# Altium PCB PIF_robot.PcbDoc (part 2 of 2)
Units mm, origin at the board's own origin, x right, y up, seen from the top; angles counter-clockwise.
Board outline 99.92 x 73.06 mm, 2 copper layers (Top Layer, Bottom Layer); 160 components, 159 nets, 631 pads, 242 vias.
Unrouted connection lines stored in the file: 4.
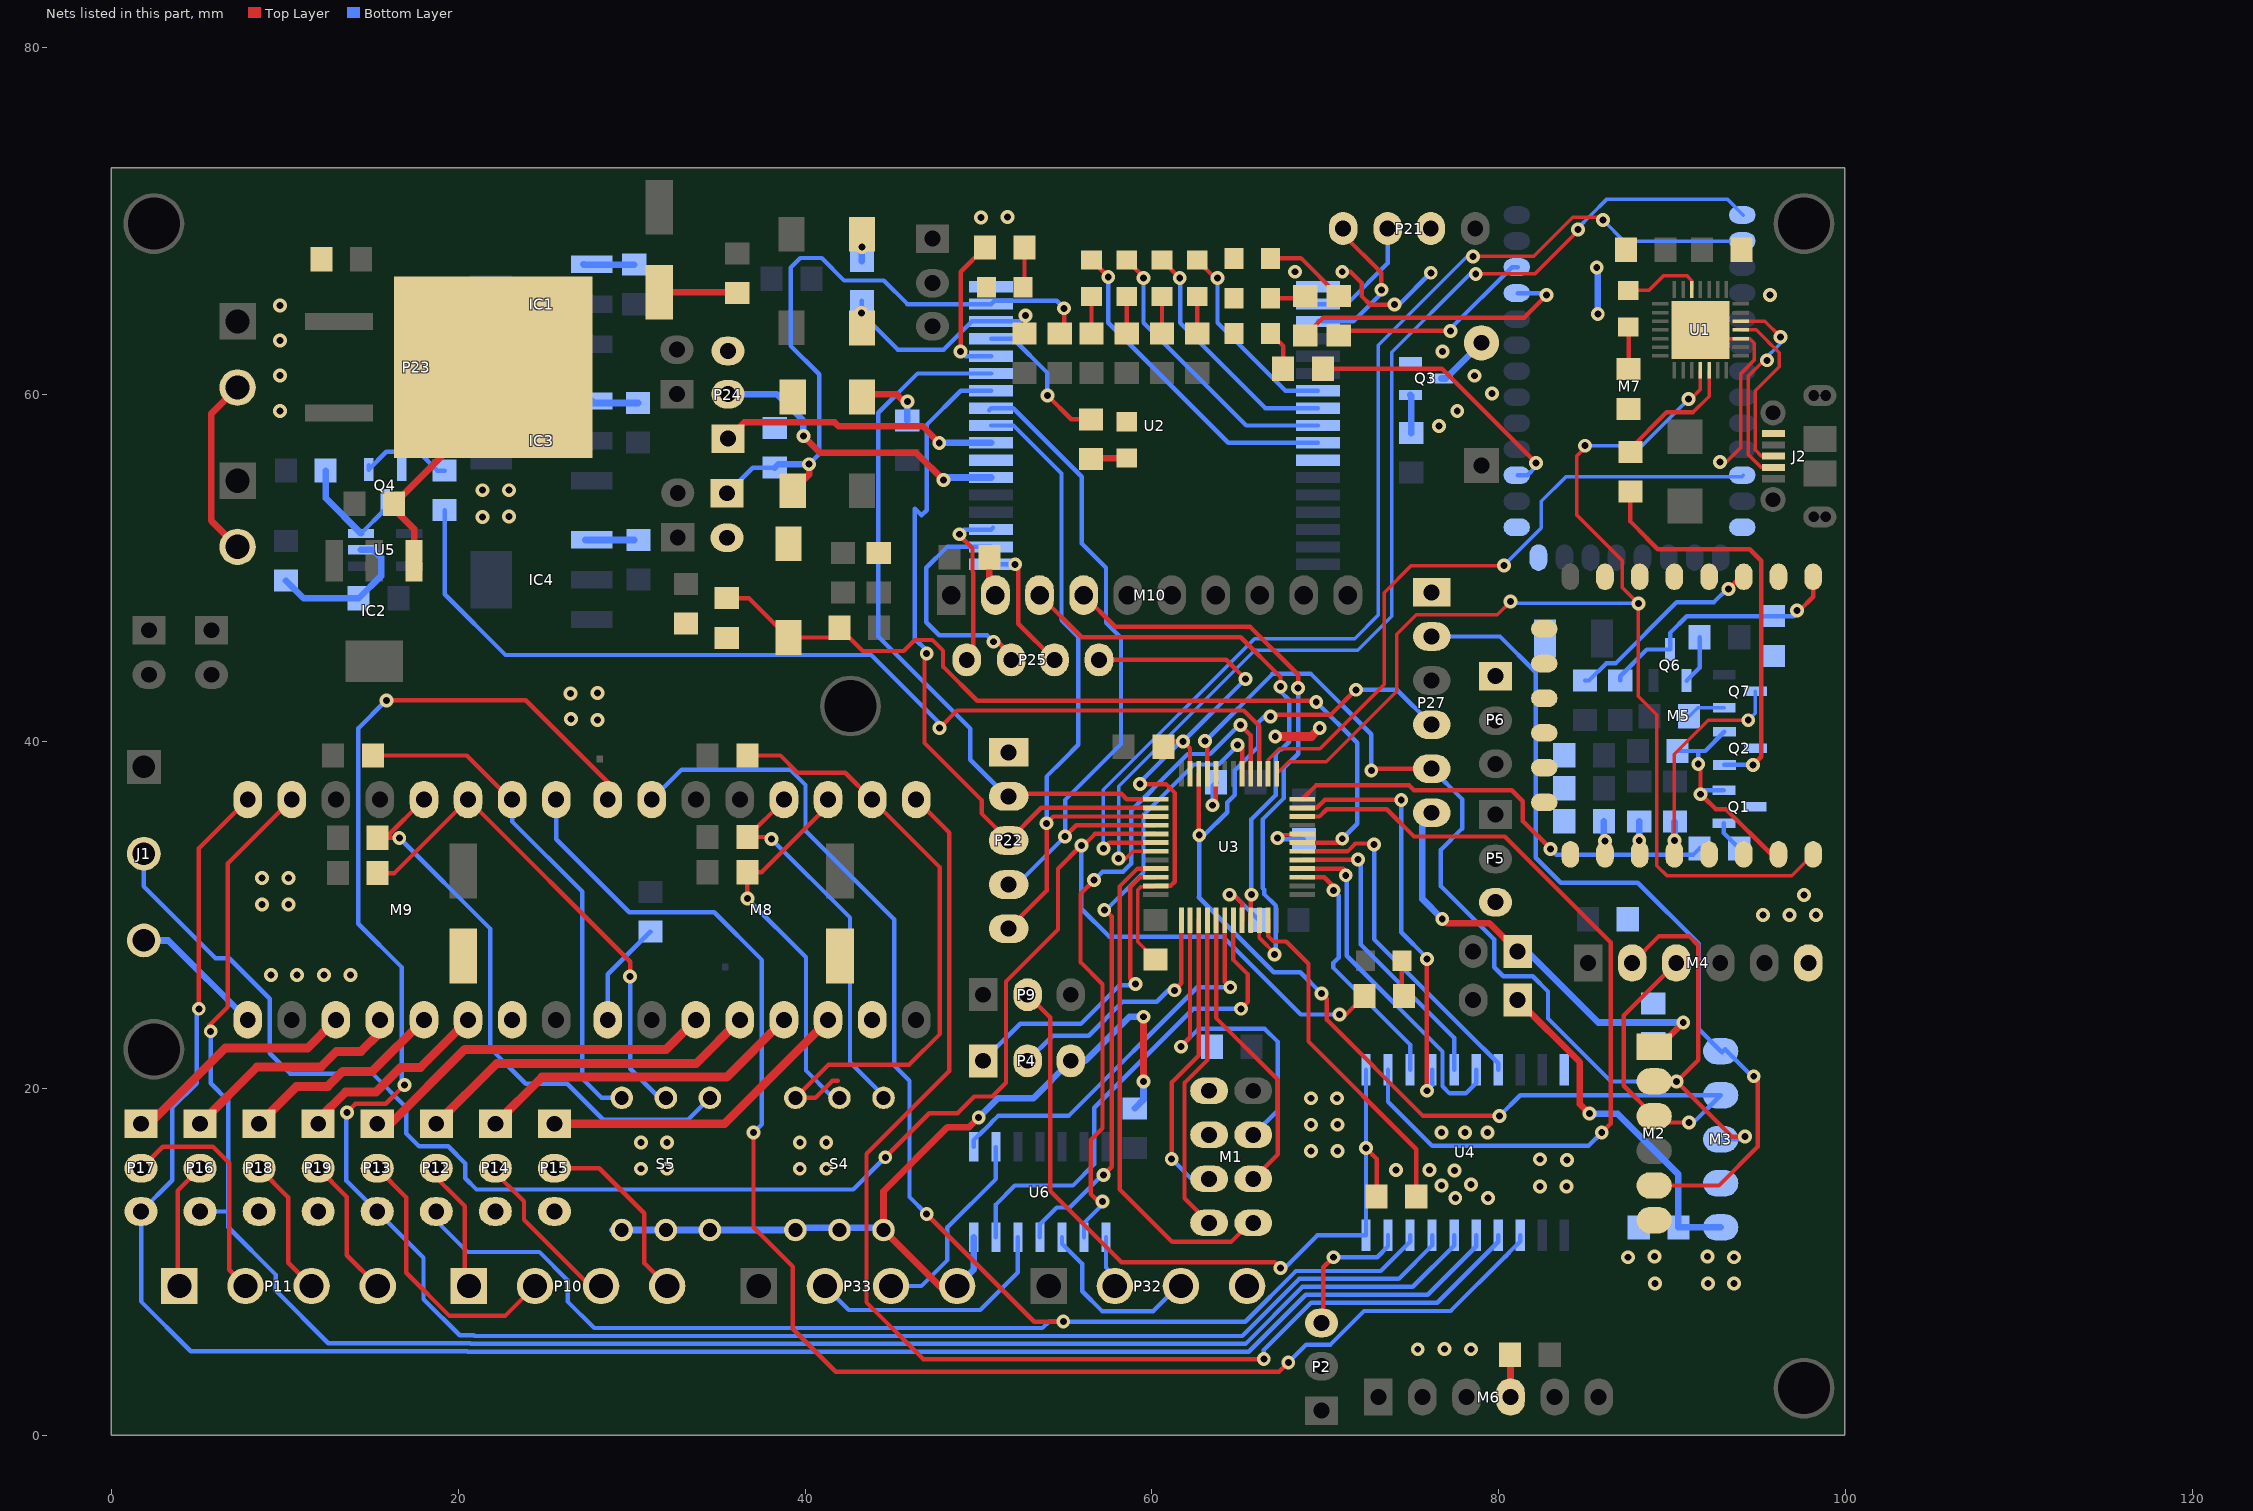
[diagram p2: the nets of this part, all layers, seen from the top]

## Via types
v1: diameter 0.8, hole 0.4, Top Layer to Bottom Layer, tented both sides, 240 vias
v2: diameter 0.8, hole 0.4, Top Layer to Bottom Layer, 2 vias

## Nets (pads, with @x,y where several pads share a name; then routed paths per layer and width w, separated by ;. In a path a pad name is that pad's centre, name@x,y a point inside that pad or via, vN(x,y) a via of type N, cw(c..) or ccw(c..) an arc to the next point about the centre after c; other vN are vias at no path point) (continued)
DWM_BLE_WK: C33.1 R38.1 S7.1 U2.32 | length 13.8
  Top Layer w0.254: v1(43.249,64.693) 43.282,64.66 S7.1@43.282,63.832 ; R38.1@52.654,63.52 52.705,63.571 v1(52.705,64.562)
  Bottom Layer w0.254: C33.1@43.282,65.396 43.282,64.726 v1(43.249,64.693) 45.356,62.586 47.989,62.586 49.616,64.212 U2.32@50.731,64.212 52.355,64.212 v1(52.705,64.562)
DWM_nRST: C32.1 P20.1 R37.1 S6.1 U2.33 | length 38.5
  Top Layer w0.254: R37.1@54.686,63.52 54.94,63.774 v1(54.94,64.968)
  Top Layer w0.381: S6.1@39.294,54.45 40.234,55.39 v1(40.234,55.982)
  Bottom Layer w0.254: P20.1@35.509,54.305 36.982,55.778 C32.1@38.252,55.778 ; v1(40.234,55.982) 40.818,56.566 40.818,61.162 39.167,62.813 39.167,67.309 39.726,67.868 40.959,67.868 42.254,66.573 44.543,66.573 45.904,65.212 U2.33@50.731,65.212 50.919,65.4 54.508,65.4 v1(54.94,64.968)
  Bottom Layer w0.381: C32.1@38.252,55.778 38.456,55.982 v1(40.234,55.982)
DWM_READY: P25.2 U2.19 | length 13.3
  Top Layer w0.254: v1(50.876,45.745) 51.105,45.745 51.892,44.958 P25.2@51.892,44.704
  Bottom Layer w0.254: U2.19@50.731,51.212 48.189,51.212 46.99,50.013 46.99,46.876 47.739,46.126 50.495,46.126 v1(50.876,45.745)
DWM_RX: P25.3 U2.18 | length 7.8
  Top Layer w0.254: v1(52.117,50.212) 52.299,50.03 52.299,46.787 P25.3@54.381,44.704
  Bottom Layer w0.254: U2.18@50.731,50.212 v1(52.117,50.212)
DWM_RX_LED: R40.2 U2.31 | length 8.4
  Top Layer w0.254: v1(53.975,59.943) 55.351,58.567 R40.2@56.49,58.567
  Bottom Layer w0.254: U2.31@50.731,63.212 51.997,63.212 53.975,61.234 v1(53.975,59.943)
DWM_SCL: P24.1 U2.25 | length 16.1
  Top Layer w0.381: P24.1@35.56,57.455 36.506,58.401 41.7,58.401 41.935,58.166 46.784,58.166 v1(47.738,57.212)
  Bottom Layer w0.381: v1(47.738,57.212) U2.25@50.731,57.212
DWM_SDA: P24.2 U2.23 | length 18.1
  Top Layer w0.381: v1(39.903,57.607) 40.869,56.642 46.406,56.642 v1(47.981,55.067)
  Bottom Layer w0.381: P24.2@35.56,60.02 38.379,60.02 39.903,58.496 v1(39.903,57.607) ; v1(47.981,55.067) 47.977,55.067 47.832,55.212 U2.23@50.731,55.212
DWM_SPI_CLK: P22.3 U2.28 U3.26 | length 41.3
  Top Layer w0.254: v1@46.888,45.288 46.888,39.91 50.178,36.62 50.178,35.852 P22.3@51.74,34.29 53.62,36.17 U3.26@60.229,36.17
  Bottom Layer w0.254: v1(47.015,45.06) 47.015,45.237 46.33,45.923 46.33,53.416 46.714,53.032 47.015,53.334 47.015,56.902 47.008,56.909 47.008,58.235 48.984,60.212 U2.28@50.731,60.212
DWM_SPI_CSn: P22.2 U2.29 U3.25 | length 41.6
  Top Layer w0.254: P22.2@51.74,36.83 51.892,36.982 58.242,36.982 58.554,36.67 U3.25@60.229,36.67
  Bottom Layer w0.254: U2.29@50.731,61.212 46.489,61.212 44.221,58.945 44.221,46.05 49.53,40.742 49.53,38.938 51.029,37.44 51.029,37.084 51.283,36.83 P22.2@51.74,36.83
DWM_SPI_MISO: P22.5 U2.26 U3.27 | length 40
  Top Layer w0.254: P22.5@51.74,29.21 53.924,31.394 v1(53.924,35.281) 54.314,35.67 U3.27@60.229,35.67
  Bottom Layer w0.254: U2.26@50.731,58.212 52.019,58.212 54.788,55.443 54.788,46.99 55.753,46.025 55.753,39.802 54.927,38.976 53.924,37.973 v1(53.924,35.281)
DWM_SPI_MOSI: P22.4 U2.27 U3.28 | length 39.9
  Top Layer w0.254: v1(54.991,34.519) 55.643,35.17 U3.28@60.229,35.17
  Bottom Layer w0.254: U2.27@50.619,59.1 U2.27@50.731,59.212 52.01,59.212 55.956,55.265 55.956,51.41 57.353,50.013 57.353,46.838 58.217,45.974 58.217,39.853 54.991,36.627 v1(54.991,34.519) 52.222,31.75 P22.4@51.74,31.75
DWM_SWCLK: P21.2 U2.2 | length 7
  Bottom Layer w0.254: U2.2@69.571,65.212 71.238,65.212 73.584,67.558 P21.2@73.584,69.565
DWM_SWDIO: P21.1 U2.3 | length 9.3
  Top Layer w0.254: P21.1@71.018,69.565 71.018,69.225 73.228,67.015 v1(73.228,66.035) ; v1(73.228,66.035) 73.317,66.035 73.228,65.946 v1(73.228,66.035)
  Bottom Layer w0.254: U2.3@69.571,64.212 71.608,64.212 73.228,65.832 v1(73.228,66.035)
DWM_TX: P25.1 U2.20 | length 9.8
  Top Layer w0.254: v2(48.895,51.943) 48.895,51.892 49.657,51.13 49.657,49.787 49.708,49.736 49.708,45.085 P25.1@49.327,44.704
  Bottom Layer w0.254: v2(48.895,51.943) 49.164,52.212 U2.20@50.731,52.212 U2.20@50.838,52.319
DWM_TX_LED: R39.2 U2.30 | length 8.9
  Top Layer w0.254: v1(48.971,62.479) 48.971,67.076 R39.2@50.368,68.473 ; R39.2@49.962,68.473 R39.2@50.368,68.473 ; R39.2@50.419,68.523 R39.2@50.368,68.473
  Bottom Layer w0.254: v1(48.971,62.479) 49.238,62.212 U2.30@50.731,62.212
ENC_1A: P32.2 U6.1 | length 3
  Bottom Layer w0.254: U6.1@57.353,11.416 57.353,9.677 57.861,9.169 P32.2@57.861,8.607
ENC_1B: P32.3 U6.3 | length 10.4
  Bottom Layer w0.254: U6.3@54.813,11.416 54.813,11.049 55.982,9.881 55.982,8.306 57.125,7.163 60.071,7.163 61.515,8.607 P32.3@61.671,8.607
ENC_2A: P33.2 U6.5 | length 14.6
  Bottom Layer w0.254: P33.2@41.148,8.607 42.528,7.227 50.102,7.227 52.273,9.398 U6.5@52.273,11.416
ENC_2B: P33.3 U6.9 | length 11.5
  Bottom Layer w0.254: P33.3@44.958,8.607 46.711,8.607 48.209,10.105 48.209,11.988 51.003,14.782 U6.9@51.003,16.623
ESP_ADC: M5.2
ESP_ENB: M5.3 R2.2 | length 11.4
  Top Layer w0.254: v1(93.245,48.793) M5.3@93.942,49.49
  Bottom Layer w0.254: R2.2@84.964,43.51 85.193,43.51 86.182,44.499 86.727,44.499 90.259,48.031 92.4,48.031 v1@93.162,48.793
ESP_GPIO0: M5.18 Q7.3 R22.2 | length 13.8
  Top Layer w0.203: M5.18@90.115,33.49 90.115,39.263 92.076,41.224 v1(94.373,41.224)
  Bottom Layer w0.203: v1(94.373,41.224) 94.783,41.634 Q7.3@94.783,42.888
  Bottom Layer w0.254: R22.2@90.115,35.362 R22.2@90.146,35.393
  Bottom Layer w0.381: R22.2@90.115,35.362 90.121,35.357 v1(90.121,34.288)
ESP_GPIO2: M5.17 R1.2 | length 2.1
  Top Layer w0.254: M5.17@87.987,33.362 M5.17@88.115,33.49
  Top Layer w0.381: v1(88.09,34.288) 88.115,34.263 M5.17@88.115,33.49
  Bottom Layer w0.381: v1(88.09,34.288) R1.2@88.09,35.393
ESP_GPIO4: M5.19
ESP_GPIO5: M5.20
ESP_GPIO9: M5.11
ESP_GPIO12: M5.6
ESP_GPIO13: M5.7
ESP_GPIO14: M5.5
ESP_GPIO15: M5.16 R4.2 | length 1.9
  Top Layer w0.254: M5.16@86.115,33.49 v1(86.115,34.263)
  Bottom Layer w0.254: v1@86.052,34.326 v1(86.115,34.263)
  Bottom Layer w0.381: v1@86.052,34.326 R4.2@86.052,35.393
ESP_GPIO16: M5.4
ESP_GPIO_10: M5.12
ESP_nRST: C26.2 M5.1 Q6.3 R3.2 | length 15.1
  Top Layer w0.254: v1(97.18,47.549) 97.321,47.549 98.115,48.343 M5.1@98.115,49.49
  Bottom Layer w0.254: R3.2@86.996,43.51 86.996,43.764 88.529,45.297 Q6.3@89.867,45.297 89.867,46.253 90.832,47.219 C26.2@95.785,47.219 97.004,47.219 97.18,47.395 v1(97.18,47.549)
ESP_RX: M5.21 Q1.2 Q2.2 R25.2 | length 13.2
  Top Layer w0.254: v1(91.492,38.71) 91.619,38.583 v1(91.619,36.957) 91.619,36.728 91.873,36.728 92.508,36.093 93.092,36.093 95.695,33.49 M5.21@96.115,33.49
  Bottom Layer w0.254: R25.2@90.298,39.446 91.492,39.446 ; v1(91.492,38.71) 91.492,39.446 ; v1(91.619,36.957) 91.848,37.186 Q1.2@92.965,37.186 ; Q2.2@92.996,40.551 91.892,39.446 91.492,39.446
ESP_SPI_CLK: M5.14
ESP_SPI_INT: M5.13
ESP_SPI_MISO: M5.10
ESP_SPI_MOSI: M5.9
ESP_TX: M5.22 U1.25 U3.13 | length 72.3
  Top Layer w0.203: U3.13@67.195,38.137 67.895,38.837 70.053,38.837 74.117,42.901 74.117,46.177 75.235,47.295 79.908,47.295 v1(80.67,48.057) ; v1(84.963,57.048) 85.089,57.048 84.499,56.459 84.499,53.043 87.098,50.444 87.098,48.895 v1(88.038,47.955) 88.038,42.596 89.105,41.529 89.105,32.842 89.689,32.258 96.883,32.258 M5.22@98.115,33.49 ; v1(90.932,59.736) 91.059,59.736 91.618,60.294 U1.25@91.618,61.399
  Bottom Layer w0.203: v1(80.67,48.057) 80.772,47.955 v1(88.038,47.955) ; v1(84.963,57.048) 88.245,57.048 v1(90.932,59.736)
GND: C1.1 C2.1 C3.1 C4.1 C5.1 C6.2 C7.2 C8.2 C9.2 C10.1 C11.1 C12.1 C13.1 C14.1 C15.1 C16.1 C17.1 C18.1 C19.1 C20.1 C21.1 C22.1 C23.1 C24.1 C25.2 C26.1 C27.1 C28.1 C29.1 C30.1 C31.1 C32.2 C33.2 C34.1 D3.2 D4.2 D5.2 D10.2 D11.2 IC1.1 IC2.1 IC3.1 IC4.1 J1.3 J2.5 M1.1 M2.6 M3.2 M4.6 M5.15 M6.4 M7.13 M7.21 M7.22 M8.10 M8.16 M9.10 M9.16 M10.2 P2.3 P4.3 P5.3 P6.1 P14.3 P15.3 P18.3 P19.3 P20.2 P21.3 P22.1 P23.4 P24.3 P25.4 P26.2 P27.1 P29.2 P32.4 P33.4 Q1.3 Q2.3 Q3.2 Q4.2 R4.1 R16.1 R30.1 S1.2 S2.2 S4.1 S4.2 S4.3 S5.1 S5.2 S5.3 S6.2 S7.2 U1.3 U1.29 U2.1 U2.11 U2.24 U2.34 U3.8 U3.23 U3.35 U3.47 U4.10 U4.19 U5.2 U6.7 | length 212
  Top Layer w0.203: C3.1@60.198,27.432 59.187,28.443 59.187,31.436 59.366,31.615 60.173,31.615 U3.35@60.229,31.67 ; v1(67.234,34.442) 67.406,34.615 68.606,34.615 U3.8@68.662,34.67 ; U1.29@91.618,63.723 92.118,63.223 U1.3@93.942,63.223 94.457,63.223 94.729,62.951 94.729,61.987 93.955,61.212 93.955,56.967 93.091,56.103 v1(92.735,56.103)
  Top Layer w0.254: P25.4@56.947,44.704 64.286,44.704 v1(65.393,43.597) ; v1(59.309,37.541) 60.808,37.541 61.268,37.081 61.268,37.074 61.316,37.027 61.316,31.914 61.072,31.67 U3.35@60.229,31.67 ; C4.1@60.655,39.7 60.96,40.005 v1(61.798,40.005) 62.195,39.608 U3.23@62.195,38.137 ; U3.47@66.695,29.704 66.695,28.784 67.013,28.466 67.744,28.466 69.023,27.187 69.023,22.708 75.235,16.497 C5.1@75.235,13.766 ; P2.3@69.774,6.477 69.875,6.579 69.875,9.683 v1(70.46,10.267) ; v1(70.968,67.076) 71.443,67.076 72.085,66.434 72.085,65.679 72.588,65.177 v1(73.99,65.177)
  Top Layer w0.381: P26.2@7.29,51.216 5.766,52.74 5.766,58.876 P29.2@7.29,60.4 ; IC2.1@17.464,50.42 17.464,52.251 16.307,53.408 C10.1@16.307,53.695 22.022,59.41 P23.4@22.022,61.569 ; C8.2@31.598,65.901 36.029,65.901 R16.1@36.093,65.837 ; S2.2@43.231,60.012 45.277,60.012 45.701,59.588 v1(45.898,59.588) ; v1(43.282,68.503) S7.2@43.282,69.232 ; P33.4@48.768,8.607 47.755,8.607 S4.3@44.526,11.836 44.526,14.072 48.222,17.767 49.466,17.767 v1(50.013,18.313) ; C34.1@50.622,50.622 50.622,48.793 M10.2@50.978,48.437 ; v1(59.512,20.401) v1(59.512,24.13) ; C1.1@80.645,4.648 80.67,4.623 M6.4@80.67,2.21
  Top Layer w0.508: v1(67.107,40.291) 69.196,40.291 v1(69.672,40.767)
  Bottom Layer w0.203: v1(92.735,56.103) 92.888,56.103 v1@92.939,56.053
  Bottom Layer w0.254: v1(59.309,37.541) 59.309,37.654 61.66,40.005 v1(61.798,40.005) 65.391,43.597 v1(65.393,43.597) ; v1(67.234,34.442) 67.311,34.365 C2.1@68.758,34.365 ; v1(70.46,10.267) 72.98,10.267 73.609,10.896 U4.19@73.609,11.531 ; v1(73.99,65.177) 74.235,65.177 v1(76.073,67.015)
  Bottom Layer w0.279: M8.16@28.626,23.951 28.626,26.568 C15.1@31.09,29.031
  Bottom Layer w0.381: J1.3@1.887,28.528 3.297,28.528 M9.16@7.874,23.951 ; C17.1@10.082,49.265 11.098,48.249 C18.1@14.273,48.249 15.562,49.538 15.562,50.604 15.123,51.043 U5.2@14.406,51.043 ; IC1.1@27.229,67.501 27.243,67.487 C11.1@30.15,67.487 ; IC4.1@27.335,51.626 27.349,51.612 C19.1@30.15,51.612 ; IC3.1@27.716,59.627 27.831,59.512 C16.1@30.378,59.512 ; S5.1@28.905,11.836 S5.1@29.439,11.836 S5.2@31.979,11.836 S5.3@34.519,11.836 39.319,11.836 39.446,11.963 S4.3@44.526,11.963 ; C33.2@43.282,67.682 v1(43.282,68.503) ; C13.1@45.898,58.496 v1(45.898,59.588) ; P33.4@48.768,8.607 49.733,9.572 U6.7@49.733,11.416 ; v1(50.013,18.313) 51.13,19.431 53.162,19.431 P4.3@55.321,21.59 56.16,21.59 58.7,24.13 v1(59.512,24.13) ; C24.1@59.004,18.846 59.512,19.354 v1(59.512,20.401) ; v1(85.64,67.314) 85.7,67.255 v1(85.7,64.638)
  other v1: 75.322,4.962 78.384,4.962 76.86,4.978 88.991,8.763 92.045,8.763 93.548,8.763 87.452,10.267 93.548,10.267 88.976,10.299 92.024,10.299 77.486,13.691 79.375,13.691 82.372,14.351 83.896,14.351 76.683,14.401 78.391,14.453 77.445,15.269 74.066,15.291 76.004,15.291 30.556,15.366 32.055,15.367 39.7,15.367 41.224,15.367 83.936,15.875 82.372,15.914 69.159,16.383 70.693,16.383 30.556,16.891 32.055,16.891 39.7,16.882 41.224,16.891 76.683,17.467 78.043,17.467 79.342,17.467 69.159,17.907 70.693,17.907 69.159,19.431 70.675,19.431 9.22,26.543 10.718,26.543 12.268,26.543 13.792,26.543 95.225,29.997 96.75,29.997 98.273,29.997 8.703,30.607 10.236,30.607 97.587,31.14 8.703,32.131 10.236,32.131 28.034,41.243 26.503,41.285 26.492,42.767 28.034,42.799 21.412,52.948 22.936,52.96 21.412,54.483 22.936,54.483 76.556,58.186 9.728,59.055 77.597,59.05 79.609,60.066 9.728,61.087 78.582,61.082 76.759,62.479 9.728,63.119 9.728,65.136 95.631,65.735 68.255,67.076 50.14,70.211 51.664,70.226
LED: J1.2 R10.1 U3.29 | length 107.8
  Top Layer w0.254: v1(44.628,16.027) 47.168,18.567 48.793,18.567 49.759,19.533 50.8,19.533 51.587,20.32 51.587,26.162 54.585,29.159 54.585,32.664 v1(55.931,34.011) 55.931,33.888 56.713,34.67 U3.29@60.229,34.67 ; v1(70.815,24.257) 71.188,24.257 R10.1@72.254,25.323
  Bottom Layer w0.254: J1.2@1.887,33.528 1.887,31.641 6.02,27.508 6.807,27.508 9.144,25.171 9.144,22.022 10.312,20.853 15.062,20.853 17.018,18.898 17.018,17.399 17.755,16.662 19.431,16.662 20.422,15.672 20.422,14.816 21.064,14.173 42.774,14.173 v1(44.628,16.027) ; v1(55.931,34.011) 55.931,30.353 57.531,28.753 64.083,28.753 68.579,24.257 v1(70.815,24.257)
MTR1_A1: M8.13 P12.1 | length 20
  Top Layer w0.508: P12.1@18.745,17.958 22.225,21.438 33.732,21.438 M8.13@36.246,23.951
MTR1_A2: M8.14 P13.1 | length 20.8
  Top Layer w0.508: P13.1@15.342,17.958 16.104,17.958 20.396,22.25 32.005,22.25 M8.14@33.706,23.951
MTR1_B1: M8.12 P14.1 | length 19.3
  Top Layer w0.508: P14.1@21.869,17.982 P14.1@21.997,18.11 ; P14.1@22.149,17.958 24.841,20.65 35.485,20.65 38.76,23.926 M8.12@38.76,23.951
MTR1_B2: M8.11 P15.1 | length 18.3
  Top Layer w0.508: P15.1@25.552,17.958 35.357,17.958 41.326,23.927 M8.11@41.326,23.951
MTR1_C1: P10.1 P12.2 | length 7.8
  Top Layer w0.254: P12.2@18.186,15.417 20.396,13.207 20.396,8.836 P10.1@20.625,8.607
MTR1_C2: P10.2 P13.2 | length 16.7
  Top Layer w0.254: P13.2@14.503,15.366 15.368,15.366 17.018,13.716 17.018,9.373 19.507,6.883 22.711,6.883 P10.2@24.435,8.607
MTR1_C3: P10.3 P14.2 | length 9.8
  Top Layer w0.254: P14.2@21.869,15.417 23.8,13.487 23.8,12.421 27.613,8.607 P10.3@28.245,8.607
MTR1_C4: P10.4 P15.2 | length 11
  Top Layer w0.254: P15.2@25.552,15.392 28.14,15.392 30.734,12.798 30.734,9.928 P10.4@32.055,8.607
MTR1_DIR: M8.1 P13.3 U4.17 | length 118
  Top Layer w0.254: v1(13.589,18.618) 14.084,19.113 15.837,19.113 v1(16.916,20.193) ; v1(15.865,42.367) 23.901,42.367 28.626,37.643 M8.1@28.626,36.651
  Bottom Layer w0.254: v1@13.564,18.618 13.564,14.681 P13.3@15.342,12.903 18.009,10.236 18.009,7.849 20.091,5.766 20.899,5.766 20.937,5.728 65.201,5.728 68.49,9.017 74.219,9.017 76.149,10.947 U4.17@76.149,11.531 ; v1(15.865,42.367) 14.249,40.751 14.249,29.489 16.764,26.974 16.764,20.345 v1(16.916,20.193)
MTR1_ENB: M8.8 U4.14 | length 73
  Top Layer w0.254: M8.8@46.406,36.651 48.311,34.746 48.311,20.995 43.546,16.231 43.546,7.66 46.812,4.394 v1(66.446,4.394)
  Bottom Layer w0.254: v1(66.446,4.394) 66.446,4.917 69.175,7.645 76.439,7.645 79.959,11.165 U4.14@79.959,11.531
MTR1_PWM: M8.2 P12.3 U4.18 | length 110.7
  Top Layer w0.254: v1(47.015,12.751) 53.213,6.553 v1(54.889,6.553)
  Bottom Layer w0.254: P12.3@18.186,12.928 20.548,10.566 24.689,10.566 26.314,8.941 26.314,7.717 27.846,6.185 53.683,6.185 54.051,6.553 v1(54.889,6.553) 65.379,6.553 68.3,9.474 73.191,9.474 74.879,11.162 U4.18@74.879,11.531 ; M8.2@31.166,36.651 32.894,38.379 39.141,38.379 40.03,37.49 40.03,34.849 45.136,29.743 45.136,21.336 46.025,20.447 46.025,13.741 v1(47.015,12.751)
MTR2_A1: M9.13 P16.1 | length 13.3
  Top Layer w0.508: P16.1@5.131,17.958 8.407,21.234 12.09,21.234 12.979,22.123 14.401,22.123 15.494,23.216 M9.13@15.494,23.951
MTR2_A2: M9.14 P17.1 | length 13.7
  Top Layer w0.508: P17.1@1.727,17.958 2.21,17.958 6.579,22.327 11.329,22.327 M9.14@12.954,23.951
MTR2_B1: M9.12 P18.1 | length 12
  Top Layer w0.508: P18.1@8.534,17.958 10.693,20.117 12.497,20.117 13.36,20.98 15.063,20.98 M9.12@18.034,23.951
MTR2_B2: M9.11 P19.1 | length 11.3
  Top Layer w0.508: P19.1@11.938,17.958 11.938,18.212 13.513,19.787 15.265,19.787 16.688,21.209 17.832,21.209 M9.11@20.574,23.951
MTR2_C1: P11.1 P16.2 | length 7.4
  Top Layer w0.254: P11.1@3.937,8.607 3.848,8.607 3.848,14.11 P16.2@5.131,15.392
MTR2_C2: P11.2 P17.2 | length 13.5
  Top Layer w0.254: P17.2@1.727,15.392 2.972,16.637 5.867,16.637 6.807,15.697 6.807,9.547 P11.2@7.747,8.607
MTR2_C3: P11.3 P18.2 | length 8
  Top Layer w0.254: P18.2@8.534,15.392 10.211,13.716 10.211,9.953 P11.3@11.557,8.607
MTR2_C4: P11.4 P19.2 | length 8.2
  Top Layer w0.254: P19.2@11.938,15.392 13.589,13.741 13.589,10.385 P11.4@15.367,8.607
MTR2_DIR: M9.1 P17.3 U4.15 | length 112.8
  Top Layer w0.254: v1(5.055,24.587) 5.055,33.832 M9.1@7.874,36.651
  Bottom Layer w0.254: v1(5.055,24.587) 4.934,24.467 4.934,20.301 3.531,18.898 3.531,14.707 P17.3@1.727,12.903 1.727,7.722 4.597,4.851 20.52,4.851 20.558,4.814 65.58,4.814 68.869,8.103 75.895,8.103 78.689,10.897 U4.15@78.689,11.531
MTR2_ENB: M9.8 U4.13 | length 85.8
  Top Layer w0.254: v1(37.033,17.45) 37.033,11.989 39.294,9.728 39.294,6.147 41.777,3.664 67.324,3.664 v1(67.86,4.2)
  Bottom Layer w0.254: M9.8@25.477,36.474 25.654,36.297 25.654,34.366 29.87,30.15 34.762,30.15 37.516,27.396 37.516,17.932 v1(37.033,17.45) ; v1(67.86,4.2) 68.892,5.232 70.291,5.232 72.225,7.167 77.216,7.167 80.348,10.299 80.363,10.299 80.556,10.492 80.556,10.507 81.229,11.18 U4.13@81.229,11.531
MTR2_PWM: M9.2 P16.3 U4.16 | length 105.6
  Top Layer w0.254: v1(5.74,23.292) 5.74,23.554 5.664,23.63 6.731,24.697 6.731,32.968 M9.2@10.414,36.651
  Bottom Layer w0.254: P16.3@5.131,12.903 6.731,12.903 6.756,12.878 ; v1(5.74,23.292) 5.74,20.295 6.756,19.279 6.756,12.878 ; U4.16@77.419,11.531 77.419,10.947 75.032,8.56 68.679,8.56 65.39,5.271 20.747,5.271 20.71,5.309 12.522,5.309 9.5,8.331 9.5,9.246 6.756,11.989 6.756,12.878
NetB1_2: B1.2 Q3.3 | length 3.2
  Bottom Layer w0.381: Q3.3@76.692,60.923 76.937,60.923 B1.2@78.994,62.98
NetC21_2: C21.2 M2.1 P27.6 P28.1 | length 25.4
  Top Layer w0.381: v1(76.733,29.769) 76.987,29.515 79.451,29.515 P28.1@81.077,27.889 ; M2.1@88.951,22.401 89.229,22.401 v1(90.627,23.799)
  Bottom Layer w0.381: P27.6@76.124,35.89 75.59,35.357 75.59,30.912 v1(76.733,29.769) ; P28.1@81.077,27.889 81.636,27.889 85.726,23.799 v1(90.627,23.799)
NetC23_2: C23.2 M3.1 P31.1 | length 20.3
  Top Layer w0.381: P31.1@81.077,25.095 84.658,21.514 84.658,19.101 v1(85.217,18.542)
  Bottom Layer w0.381: v1(85.217,18.542) 86.843,18.542 90.348,15.037 C23.2@90.348,11.988 M3.1@92.786,11.988
NetD2_1: D2.1 U1.12 | length 4.7
  Top Layer w0.203: D2.1@87.422,66.022 88.671,66.022 89.484,66.835 90.846,66.835 91.118,66.563 U1.12@91.118,66.048
NetD2_2: D2.2 R30.2 | length 2.5
  Top Layer w0.254: D2.2@87.401,63.893 87.478,63.816 R30.2@87.478,61.463
NetD3_1: D3.1 R12.2 | length 4.9
  Top Layer w0.254: D3.1@66.836,67.838 66.862,67.864 68.588,67.864 R12.2@70.773,65.679
NetD4_1: D4.1 R13.2 | length 2.1
  Top Layer w0.254: D4.1@66.836,65.552 68.707,65.552 R13.2@68.834,65.679
NetD5_1: D5.1 R15.2 | length 2.3
  Top Layer w0.254: D5.1@66.836,63.52 67.564,62.792 R15.2@67.564,61.488
NetD6_1: D6.1 R17.1 | length 2.1
  Top Layer w0.254: R17.1@62.611,63.52 D6.1@62.611,65.645
NetD6_2: D6.2 U2.7 | length 11.7
  Top Layer w0.254: D6.2@62.674,67.807 D6.2@62.611,67.745 63.635,66.721 v1(63.779,66.721)
  Bottom Layer w0.254: v1(63.779,66.721) 63.779,64.13 67.697,60.212 U2.7@69.571,60.212
NetD7_1: D7.1 R18.1 | length 2.1
  Top Layer w0.254: R18.1@60.579,63.52 D7.1@60.579,65.645
NetD7_2: D7.2 U2.8 | length 14.1
  Top Layer w0.254: D7.2@60.579,67.745 v1(61.603,66.721)
  Bottom Layer w0.254: v1(61.603,66.721) v1@61.62,66.721 ; v1@61.646,66.721 v1@61.62,66.721 ; U2.8@69.571,59.212 66.538,59.212 61.62,64.13 v1@61.62,66.721
NetD8_1: D8.1 R19.1 | length 2.1
  Top Layer w0.254: R19.1@58.547,63.52 D8.1@58.547,65.645
NetD8_2: D8.2 U2.9 | length 16.5
  Top Layer w0.254: D8.2@58.547,67.745 59.512,66.78 v1(59.512,66.721)
  Bottom Layer w0.254: v1(59.512,66.721) 59.512,64.13 65.43,58.212 U2.9@69.571,58.212
NetD9_1: D9.1 R20.1 | length 2.1
  Top Layer w0.254: R20.1@56.515,63.52 D9.1@56.515,65.645
NetD9_2: D9.2 U2.10 | length 19
  Top Layer w0.254: D9.2@56.49,67.77 D9.2@56.515,67.745 v1(57.48,66.78)
  Bottom Layer w0.254: v1(57.48,66.78) 57.48,64.13 64.398,57.212 U2.10@69.571,57.212
NetD10_1: D10.1 R39.1 | length 2.4
  Top Layer w0.254: D10.1@52.452,66.187 52.654,66.389 R39.1@52.654,68.473
NetD11_1: D11.1 R40.1 | length 2.1
  Top Layer w0.381: R40.1@56.49,56.281 56.537,56.328 D11.1@58.542,56.328
NetD12_2: D12.2 R10.2 | length 2.1
  Top Layer w0.254: D12.2@74.405,27.355 74.405,25.457 R10.2@74.54,25.323
NetM1_3: M1.3
NetM1_4: M1.4 U3.38 | length 19.8
  Top Layer w0.254: v1(61.671,22.402) 62.195,22.926 U3.38@62.195,29.704
  Bottom Layer w0.254: v1@61.671,22.379 v1(61.671,22.402) 61.671,22.423 62.677,23.43 66.507,23.43 67.259,22.677 67.259,18.744 M1.4@65.837,17.322
NetM1_5: M1.5 U3.39 | length 17.1
  Top Layer w0.254: v1(61.138,15.925) 61.138,20.345 62.695,21.902 U3.39@62.695,29.704
  Bottom Layer w0.254: v1(61.138,15.925) 62.281,14.782 M1.5@63.297,14.782
NetM1_6: M1.6 U3.41 | length 17
  Top Layer w0.254: U3.41@63.703,29.696 U3.41@63.695,29.704 63.695,24.061 67.259,20.497 67.259,16.204 M1.6@65.837,14.782
NetM1_7: M1.7 U3.40 | length 18.6
  Top Layer w0.254: U3.40@63.195,29.704 63.195,21.635 61.874,20.314 61.874,13.664 M1.7@63.297,12.242
NetM1_8: M1.8 U3.33 | length 29.5
  Top Layer w0.254: U3.33@60.229,32.67 59.164,32.67 58.134,31.64 58.134,14.179 61.163,11.15 64.556,11.15 65.1,11.694 65.1,11.874 65.469,11.874 M1.8@65.837,12.242
NetM7_1: M7.1 U3.31 | length 66.2
  Top Layer w0.203: v1(58.064,33.249) 58.484,33.249 58.907,33.67 U3.31@60.229,33.67 ; v1(78.664,66.949) 82.067,66.949 84.557,69.438 v1(84.557,69.515)
  Bottom Layer w0.203: v1(58.064,33.249) 57.882,33.249 58.09,33.457 58.09,37.42 65.932,45.263 71.857,45.263 73.812,47.219 73.812,62.428 78.334,66.949 v1(78.664,66.949) ; v1(84.557,69.515) 84.557,69.597 85.3,70.34 86.201,71.242 93.181,71.242 M7.1@94.082,70.342
NetM7_2: M7.2 U3.30 | length 67
  Top Layer w0.203: v1(78.511,67.965) 82.017,67.965 82.017,67.971 84.265,70.219 85.833,70.219 v1(86.004,70.048)
  Top Layer w0.254: v1@56.973,33.833 v1(57.201,33.833) 57.538,34.17 U3.30@60.229,34.17
  Bottom Layer w0.203: v1(57.201,33.833) 57.201,37.211 65.913,45.923 71.687,45.923 73.05,47.287 73.05,62.834 78.181,67.965 v1(78.511,67.965) ; v1(86.004,70.048) 87.211,68.842 M7.2@94.082,68.842
NetM7_11: M7.11 U3.14 | length 39
  Top Layer w0.203: U3.14@66.695,38.137 66.695,38.944 67.337,39.586 69.683,39.586 73.381,43.284 73.381,48.565 74.955,50.14 v1(80.283,50.14)
  Bottom Layer w0.203: v1(80.283,50.14) 82.448,52.305 82.448,53.843 83.852,55.246 93.986,55.246 M7.11@94.082,55.342
NetM7_24: M7.24 R15.1 | length 16
  Top Layer w0.254: R15.1@69.85,61.488 76.715,61.488 82.144,56.059 v1(82.144,56.053)
  Bottom Layer w0.254: M7.24@81.082,55.342 81.642,55.342 82.144,55.843 v1(82.144,56.053)
NetM7_31: M7.31 R13.1 | length 16.6
  Top Layer w0.254: R13.1@68.834,63.393 69.876,64.435 81.458,64.435 v1(82.753,65.73)
  Bottom Layer w0.254: M7.31@81.082,65.842 82.642,65.842 v1(82.753,65.73)
NetM7_32: M7.32 R12.1 | length 11.9
  Top Layer w0.254: R12.1@70.733,63.666 v1(77.201,63.666)
  Bottom Layer w0.254: v1(77.201,63.666) 77.241,63.83 80.753,67.342 M7.32@81.082,67.342
NetM8_5: M8.5 R24.1 S4.4 | length 21.9
  Top Layer w0.254: v1(38.075,34.365) 37.948,34.492 R24.1@36.678,34.492 38.786,36.601 M8.5@38.786,36.651
  Bottom Layer w0.254: v1(38.075,34.365) 42.596,29.844 42.596,21.513 S4.4@44.526,19.583
NetM8_6: M8.6 R23.1 S4.5 | length 22
  Top Layer w0.254: v1(36.678,30.936) R23.1@36.678,32.46 37.497,32.46 41.326,36.289 M8.6@41.326,36.651
  Bottom Layer w0.254: v1(36.678,30.936) 40.056,27.558 40.056,21.03 41.504,19.583 S4.5@41.986,19.583
NetM8_7: M8.7 R21.1 S4.6 | length 36.1
  Top Layer w0.254: R21.1@36.678,39.191 38.583,39.191 39.573,38.202 42.316,38.202 M8.7@43.866,36.651 47.777,32.74 47.777,23.139 45.999,21.361 41.352,21.361 S4.6@39.446,19.456 40.6,19.456 41.58,20.436 41.899,20.436
NetM9_5: M9.5 R29.1 S5.4 | length 34.2
  Top Layer w0.254: R29.1@14.961,34.492 14.961,34.619 15.138,34.442 R29.1@15.367,34.442 R29.1@15.825,34.442 ; v1(16.612,34.442) R29.1@15.825,34.442 ; M9.5@18.034,36.651 R29.1@15.825,34.442
  Bottom Layer w0.254: v1(16.612,34.442) 21.844,29.21 21.844,22.327 23.901,20.269 26.289,20.269 28.372,18.186 33.249,18.186 S5.4@34.519,19.456
NetM9_6: M9.6 R27.1 S5.5 | length 29.2
  Top Layer w0.254: R27.1@14.961,32.206 R27.1@15.104,32.206 ; R27.1@15.367,32.41 16.333,32.41 M9.6@20.574,36.651 29.921,27.304 v1(29.921,26.441)
  Bottom Layer w0.254: v1(29.921,26.441) 29.921,21.132 S5.5@31.826,19.227
NetM9_7: M9.7 R26.1 S5.6 | length 29
  Top Layer w0.254: R26.1@15.088,39.191 20.499,39.191 23.039,36.651 M9.7@23.114,36.651
  Bottom Layer w0.254: M9.7@23.114,36.651 23.114,35.382 27.153,31.344 27.153,20.574 28.271,19.456 S5.6@28.905,19.456
NetM10_3: M10.3 U3.45 | length 31
  Top Layer w0.254: M10.3@53.518,48.437 55.955,45.999 65.125,45.999 67.412,43.713 v1(67.412,43.155) ; U3.45@65.695,29.704 65.695,31.125 v1(65.735,31.165)
  Bottom Layer w0.254: v1(65.735,31.165) 65.735,35.509 67.132,36.906 67.132,39.294 67.399,39.561 67.485,39.561 67.913,39.989 67.913,42.374 67.412,42.875 v1(67.412,43.155)
NetM10_4: M10.4 U3.46 | length 34.1
  Top Layer w0.203: U3.46@66.195,29.704 66.195,28.673 67.157,27.711 v1(67.056,27.711)
  Top Layer w0.254: M10.4@56.058,48.437 57.891,46.604 65.653,46.604 65.658,46.609 68.428,43.84 v1(68.428,43.078)
  Bottom Layer w0.254: v1(67.056,27.711) 67.128,27.784 67.128,30.539 66.465,31.202 66.465,31.467 66.396,31.537 66.396,35.523 67.589,36.717 67.589,38.456 68.428,39.294 v1(68.428,43.078)
NetQ1_1: Q1.1 R11.1 | length 1.8
  Bottom Layer w0.254: Q1.1@92.965,35.281 92.965,34.722 R11.1@93.854,33.833
NetQ2_1: Q2.1 R28.2 | length 23.8
  Top Layer w0.254: R28.2@87.579,54.402 87.579,52.68 88.525,51.733 88.525,51.708 89.154,51.079 94.464,51.079 95.124,50.419 95.124,39.116 v1(94.654,38.646)
  Bottom Layer w0.254: Q2.1@92.996,38.646 v1(94.654,38.646)
NetQ3_1: Q3.1 R7.2 | length 2.2
  Bottom Layer w0.381: Q3.1@74.899,59.97 74.941,59.929 R7.2@74.941,57.779
NetQ4_1: Q4.1 R34.2 | length 5.5
  Bottom Layer w0.254: Q4.1@14.844,55.932 Q4.1@14.844,55.671 15.865,56.692 17.729,56.692 18.806,55.615 R34.2@19.226,55.615
NetQ4_3: Q4.3 R33.1 U5.3 | length 6.9
  Bottom Layer w0.254: U5.3@14.406,51.993 15.797,53.384 Q4.3@15.797,53.879
  Bottom Layer w0.381: R33.1@12.368,55.615 12.368,54.031 U5.3@14.406,51.993
NetQ6_1: Q6.1 R31.2 | length 2.8
  Bottom Layer w0.254: Q6.1@90.819,43.505 91.568,44.254 R31.2@91.568,45.999
NetQ7_1: Q7.1 R32.1 | length 2.2
  Bottom Layer w0.203: R32.1@90.971,41.453 91.454,41.935 Q7.1@92.991,41.935
NetR8_1: R8.1 U3.44 | length 4.2
  Top Layer w0.254: v1(64.465,31.165) 64.703,31.165 65.195,30.672 U3.44@65.195,29.704
  Bottom Layer w0.254: v1(64.465,31.165) 64.702,31.165 R8.1@66.163,29.704
NetR9_1: R9.1 U3.20 | length 3.3
  Top Layer w0.279: v1(63.5,36.322) 63.678,36.5 63.678,38.119 U3.20@63.695,38.137
  Bottom Layer w0.279: v1(63.5,36.322) 63.5,37.447 R9.1@63.695,37.642
NetR11_2: R11.2 U3.12 | length 25.7
  Top Layer w0.254: U3.12@68.662,36.67 69.456,37.465 74.828,37.465 75.108,37.186 80.747,37.186 81.382,36.551 81.382,35.408 v1(82.982,33.807)
  Bottom Layer w0.254: v1(82.982,33.807) 83.312,33.477 91.213,33.477 R11.2@91.568,33.833
NetR28_1: R28.1 U1.26 | length 7.5
  Top Layer w0.203: 91.186,58.974 92.118,59.905 U1.26@92.118,61.399
  Top Layer w0.254: R28.1@87.579,56.688 87.579,56.886 89.666,58.974 91.186,58.974
NetR34_1: R34.1 U3.15 | length 58.7
  Top Layer w0.254: v1(47.751,40.767) 48.767,41.783 65.294,41.783 66.195,40.882 U3.15@66.195,38.137
  Bottom Layer w0.254: R34.1@19.226,53.329 19.226,48.491 22.733,44.983 43.815,44.983 47.751,41.047 v1(47.751,40.767)
NetU3_3: U3.3 U4.3 | length 15
  Top Layer w0.254: U3.3@68.662,32.17 69.937,32.17 70.687,31.42 v1(70.46,31.42)
  Bottom Layer w0.254: v1(70.46,31.42) 70.758,31.121 70.758,27.536 70.46,27.238 70.46,26.945 74.879,22.525 U4.3@74.879,21.081
NetU3_4: U3.4 U4.6 | length 20.4
  Top Layer w0.254: U3.4@68.662,32.67 71.024,32.67 71.171,32.523 v1(71.171,32.283)
  Bottom Layer w0.254: v1@71.222,32.283 71.222,27.644 76.746,22.12 76.746,20.119 77.155,19.71 78.093,19.71 78.689,20.306 U4.6@78.689,21.081
NetU3_5: U3.5 U4.5 | length 17.6
  Top Layer w0.254: U3.5@68.662,33.17 71.909,33.17 v1(71.882,33.198)
  Bottom Layer w0.254: v1@72.034,33.198 72.034,28.295 77.419,22.91 U4.5@77.419,21.081
NetU3_6: U3.6 U4.7 | length 20.3
  Top Layer w0.254: U3.6@68.662,33.67 68.671,33.661 71.27,33.661 71.727,34.119 72.739,34.119 v1(72.796,34.061)
  Bottom Layer w0.254: v1@72.847,34.061 72.803,34.017 72.803,28.594 79.084,22.313 79.093,22.313 79.959,21.447 U4.7@79.959,21.081
NetU3_10: U3.10 U4.2 | length 47.7
  Top Layer w0.254: U3.10@68.789,35.67 69.651,35.67 70.074,36.093 73.533,36.093 75.108,34.519 80.34,34.519 86.436,28.423 86.436,17.957 v1(85.928,17.449)
  Bottom Layer w0.254: U4.2@73.609,21.081 73.609,19.227 76.148,16.688 85.167,16.688 v1(85.928,17.449)
NetU3_11: U3.11 U4.4 | length 24.6
  Top Layer w0.254: U3.11@68.662,36.17 69.505,36.17 69.962,36.628 v1(74.37,36.628) ; v1(75.844,19.863) v1(75.844,27.457)
  Bottom Layer w0.254: v1(74.37,36.628) 74.37,29.007 v1@75.857,27.52 ; v1@75.819,27.483 v1(75.844,27.457) ; v1(75.844,19.863) 76.149,20.168 U4.4@76.149,21.081
NetU3_16: U3.16 U6.2 | length 39.6
  Top Layer w0.254: v1(56.667,32.004) 55.88,31.217 55.88,27.28 57.15,26.01 57.15,17.704 56.471,17.024 56.471,13.915 56.898,13.487 v1(57.15,13.487) ; v1(65.1,40.944) 65.695,40.349 U3.16@65.695,38.137
  Bottom Layer w0.254: U6.2@56.083,11.416 56.083,12.239 57.15,13.306 v1(57.15,13.487) ; v1(56.667,32.004) 57.15,32.487 58.335,32.487 58.795,32.946 58.795,36.011 59.595,36.811 59.611,36.811 60.039,37.239 60.039,37.255 62.059,39.275 63.363,39.275 65.032,40.944 v1(65.1,40.944)
NetU3_17: U3.17 U6.4 | length 37.1
  Top Layer w0.254: v1(57.201,15.011) 57.677,15.487 57.677,29.91 57.31,30.277 v1(57.252,30.277) ; v1(64.922,39.802) 65.099,39.802 65.195,39.706 U3.17@65.195,38.137
  Bottom Layer w0.254: U6.4@53.543,11.416 53.543,12.167 54.508,13.132 55.258,13.132 57.137,15.011 v1(57.201,15.011) ; v1(57.252,30.277) 57.354,30.277 59.512,32.435 59.512,35.763 62.42,38.671 63.844,38.671 64.886,39.713 65.1,39.713 65.011,39.802 v1(64.922,39.802)
NetU3_42: U3.42 U6.8 | length 22.8
  Top Layer w0.254: U3.42@64.195,29.704 64.195,26.153 v1(64.516,25.832)
  Bottom Layer w0.254: U6.8@49.733,16.623 49.733,17.018 50.298,17.583 50.315,17.583 50.743,18.011 50.743,18.028 51.13,18.415 55.194,18.415 62.611,25.832 v1(64.516,25.832)
NetU3_43: U3.43 U6.6 | length 28.2
  Top Layer w0.254: U3.43@64.695,29.704 64.695,27.405 65.532,26.568 65.532,24.994 v1(65.126,24.587)
  Bottom Layer w0.254: U6.6@51.003,11.416 51.003,13.309 52.095,14.401 55.445,14.401 56.68,15.636 56.68,18.885 62.382,24.587 v1(65.126,24.587)
NRST: C12.2 R5.1 S1.1 U3.7 | length 49.9
  Top Layer w0.254: C12.2@35.484,48.26 36.771,48.26 S1.1@39.04,45.991 41.42,45.991 R5.1@41.986,46.557 43.332,45.212 45.695,45.212 46.33,45.847 47.346,45.847 47.955,45.237 47.955,44.314 49.928,42.341 v1@69.469,42.341 ; U3.7@68.662,34.17 70.792,34.17 v1@70.792,34.547 ; v1(70.968,34.392) v1@70.968,34.575
  Bottom Layer w0.254: v1(69.469,42.277) 71.828,39.918 71.828,35.252 v1(70.968,34.392)
RF_CS: M2.5 M3.5 P27.2 | length 49.4
  Top Layer w0.254: M2.5@89.083,14.401 92.684,14.401 94.913,16.631 94.913,20.479 v1(94.691,20.701)
  Top Layer w0.381: M2.5@88.951,14.401 M2.5@89.083,14.401
  Bottom Layer w0.254: P27.2@76.124,46.05 80.061,46.05 82.118,43.993 82.118,33.299 83.566,31.852 88.011,31.852 91.516,28.346 91.516,23.418 M3.5@92.786,22.148 92.862,22.073 93.039,22.25 94.589,20.701 v1(94.691,20.701)
RF_RXD: M2.2 M3.3 M4.2 P27.5 U3.21 | length 70.6
  Top Layer w0.254: v1(63.068,40.015) 63.195,39.888 U3.21@63.195,38.137 ; v1(72.644,38.329) 72.746,38.43 P27.5@76.124,38.43 ; M4.2@87.681,27.229 89.23,28.778 90.957,28.778 91.491,28.245 91.491,21.641 90.251,20.401 M2.2@88.951,20.401 88.956,20.396 v1(90.246,20.396) 93.421,17.221 v1(94.183,17.221)
  Bottom Layer w0.254: v1(63.068,40.015) 66.944,43.891 69.164,43.891 72.644,40.411 v1(72.644,38.329) ; P27.5@76.124,38.43 77.876,36.678 77.876,34.976 76.657,33.757 76.657,31.654 79.731,28.58 79.731,26.99 80.254,26.467 81.95,26.467 82.829,25.588 82.829,24.028 86.462,20.396 ; 86.462,20.396 v1(90.246,20.396) ; M3.3@92.786,17.068 94.03,17.068 v1(94.183,17.221)
RF_TXD: M2.3 M3.4 M4.3 P27.4 U3.22 | length 80.8
  Top Layer w0.254: U3.22@62.695,38.137 62.695,34.625 v1(62.725,34.595) ; v1(66.827,41.427) 66.7,41.427 66.58,41.547 70.325,41.547 v1(71.755,42.977) ; v1(69.774,25.476) 70.085,25.165 70.085,23.955 75.625,18.415 v1(80.035,18.415) ; M2.3@88.214,18.401 88.239,18.376 88.264,18.401 88.417,18.554 88.506,18.465 M2.3@88.887,18.465 ; M4.3@90.221,27.229 87.198,24.206 87.198,20.154 M2.3@88.887,18.465 ; v1(90.958,18.033) 89.319,18.033 M2.3@88.951,18.401 M2.3@88.887,18.465
  Top Layer w0.381: M2.3@88.214,18.401 88.264,18.401 M2.3@88.951,18.401
  Bottom Layer w0.254: v1(66.827,41.427) 66.523,41.427 66.497,41.453 66.116,41.072 66.116,39.675 64.77,38.329 64.77,36.916 64.334,36.481 64.334,35.922 63.007,34.595 v1(62.725,34.595) 62.725,31.049 62.695,31.019 67.019,26.695 68.555,26.695 v1(69.774,25.476) ; v1(71.755,42.977) 74.117,42.977 P27.4@76.124,40.97 ; v1(80.035,18.415) 81.228,19.608 M3.4@92.786,19.608 91.211,18.033 v1(90.958,18.033)
SWCLK: P4.2 U3.37 | length 14.4
  Top Layer w0.254: v1(61.29,25.654) 61.695,26.059 U3.37@61.695,29.704
  Bottom Layer w0.254: P4.2@52.832,21.59 54.28,23.038 56.35,23.038 58.306,24.994 60.277,24.994 60.938,25.654 v1(61.29,25.654)
SWDIO: P4.1 U3.34 | length 18.1
  Top Layer w0.254: v1(59.055,26.01) 58.756,26.309 58.756,31.615 59.311,32.17 U3.34@60.229,32.17
  Bottom Layer w0.254: P4.1@50.267,21.59 52.4,23.724 55.905,23.724 58.136,25.954 59.055,25.954 v1(59.055,26.01)
USB_D_N: J2.2 U1.5 | length 12.5
  Top Layer w0.203: U1.5@93.942,64.223 95.334,64.223 v1(96.241,63.317) ; v1(95.453,61.971) v1@95.288,61.971 ; J2.2@95.826,55.793 95.129,55.793 94.361,56.561 94.361,61.044 v1@95.288,61.971 ; v1@95.238,61.971 v1@95.288,61.971 ; v1@95.238,61.971 95.188,61.971 95.213,61.996 v1@95.238,61.971
  Bottom Layer w0.203: v1(95.453,61.971) 95.25,61.971 96.241,62.961 v1(96.241,63.317)
USB_D_P: J2.3 U1.4 | length 10.1
  Top Layer w0.203: U1.4@93.942,63.723 94.844,63.723 95.536,63.031 95.536,63.025 95.949,62.612 95.955,62.612 96.158,62.409 96.158,61.609 94.772,60.223 94.772,56.81 95.139,56.443 J2.3@95.826,56.443
VCC_245: C5.2 P9.2 U4.1 U4.20 | length 45.3
  Top Layer w0.254: P9.2@52.832,25.4 54.127,24.105 54.127,14.097 58.237,9.987 67.076,9.987 v1(67.412,9.652) ; v1(72.339,16.56) 72.949,15.95 C5.2@72.949,13.766
  Bottom Layer w0.254: v1(67.412,9.652) 67.657,9.652 69.536,11.531 U4.20@72.339,11.531 v1(72.339,16.56) U4.1@72.339,21.081
pads on no net: H1.1 H2.1 H3.1 H4.1 H5.1 J2.4 J2.6 J2.7 J2.10 J2.11 J2.S_1 J2.S_1_H1 J2.S_1_H2 J2.S_2 J2.S_2_H1 J2.S_2_H2 LOGO1.1 LOGO2.1 M4.4 M4.5 M6.1 M7.3 M7.4 M7.5 M7.6 M7.7 M7.8 M7.9 M7.10 M7.14 M7.15 M7.16 M7.17 M7.18 M7.19 M7.20 M7.23 M7.25 M7.27 M7.28 M7.29 M7.30 M7.33 M8.15 M9.15 M10.5 M10.6 M10.7 M10.8 U1.1 U1.2 U1.9 U1.10 U1.11 U1.13 U1.14 U1.15 U1.16 U1.17 U1.18 U1.19 U1.20 U1.21 U1.22 U1.23 U1.27 U2.4 U2.5 U2.6 U2.13 U2.14 U2.15 U2.16 U2.17 U2.21 U2.22 U3.1 U4.8 U4.9 U4.11 U4.12 U5.4 U6.10 U6.11 U6.12 U6.13
copper on no net:
  other v1: 95.961,31.14 53.391,70.226 55.194,70.226

## Polygon pours and split planes (outlines as drawn)
GND on Top Layer "Top Layer-GND" (solid, remove dead copper, pour order 94): 0,73.057 99.924,73.057 99.924,0 0,0
12V on Top Layer "Top Layer-12V" (solid, remove dead copper, pour order 86): 32.436,72.415 6.756,72.415 1.067,66.726 1.067,45.491 6.782,45.491 6.782,47.777 5.309,49.251 5.309,60.63 7.036,60.63 8.382,61.976 8.331,62.027 8.331,67.081 8.509,67.081 10.363,68.936 12.903,68.936 14.897,66.942 17.247,69.291 32.403,69.291
no net on Top Layer "Top Layer-No Net 1" (solid, remove dead copper, pour order 82): -3.632,73.057
GND on Top Layer "Top Layer-GND 1" (solid, remove dead copper, pour order 80): 2.819,75.336
no net on Top Layer "Top Layer-No Net" (solid, remove dead copper, pour order 0): 11.735,70.332
GND on Bottom Layer "Bottom Layer-GND" (solid, remove dead copper, pour order 92): 0,73.057 99.924,73.057 99.924,0 0,0

## Keep-outs
Keep-Out Layer:
  the board outline again, w0.381

## Other copper
Top Layer:
  region net RF_RXD: 73.558,39.675

## Silkscreen, mask and mechanical layers (free items; w line width, h text height)
Top Overlay:
  drawing of 791 lines, arcs and shapes, not listed
  text "HC05" at 46.05,70.51 h0.76
  text "3V3" at 77.8,67.038 h0.76
  text "GND" at 76.327,66.091 h0.76 r90
  text "SWCLK" at 74.092,64.491 h0.76 r90
  text "HC06" at 46.025,61.671 h0.76
  text "+" at 81.102,56.515 h1.27 r270
  text "SCL" at 34.036,56.413 h0.76 r90
  text "R_DY" at 54.712,45.771 h0.76
  text "RX" at 58.115,45.771 h0.76
  text "TX" at 51.638,45.745 h0.76
  text "GND" at 60.198,45.745 h0.76
  text "BalanceBot_V1" at 30.455,39.767 h1.27 r90
  text "CSn" at 47.701,36.398 h0.76
  text "CLK" at 47.625,33.807 h0.76
  text "3V3" at 75.921,33.35 h0.76
  text "BOOT0" at 74.778,31.902 h0.76
  text "MOSI" at 47.168,31.42 h0.76
  text "MISO" at 47.117,28.727 h0.76
  text "-" at 43.84,25.4 h1.02
  text "-" at 22.149,25.324 h1.02
  text "GND" at 55.88,17.043 h0.76 r90
  text "SWCLK" at 53.137,15.799 h0.76 r90
  text "SWDIO" at 50.673,15.621 h0.76 r90
  text "DIR" at 14.376,10.338 h0.76
  text "PWM" at 4.191,10.312 h0.76
  text "PWM" at 17.729,10.312 h0.76
  text "DIR" at 0.787,10.236 h0.76
Bottom Overlay:
  region: 85.496,46.355 84.557,46.355 84.557,43.104 85.496,43.104
  text "12V" at 2.311,62.89 h1.02 r270
  text "GND" at 2.311,58.953 h1.02 r270
  text "5V" at 2.311,54.127 h1.02 r270
  text "GND" at 2.311,49.759 h1.02 r270
  text "5V" at 3.277,37.744 h1.02 r270
  text "LED" at 3.302,32.258 h1.02 r270
  text "GND" at 3.454,27.203 h1.02 r270

## Text inside footprints (layer, text, board x,y; h text height)
B1: Top Overlay "+" at 79.299,51.892 h1.02 r90
LOGO1: Top Overlay "PIF" at 28.346,43.473 h1.02 r90
LOGO2: Bottom Overlay "PIF" at 34.62,29.811 h1.02 r270
P23: Top Overlay "*" at 12.509,67.801 h1.02 r270
S4: Top Overlay "2" at 41.616,12.846 h1.02; Top Overlay "1" at 39.216,12.846 h1.02; Top Overlay "ON" at 38.646,17.446 h1.02; Top Overlay "3" at 44.156,12.846 h1.02; Mechanical 13 "2" at 41.616,12.846 h1.02; Mechanical 13 "ON" at 38.646,17.446 h1.02; Mechanical 13 "1" at 39.216,12.846 h1.02; Mechanical 13 "3" at 44.156,12.846 h1.02
S5: Top Overlay "2" at 31.609,12.846 h1.02; Top Overlay "1" at 29.209,12.846 h1.02; Top Overlay "ON" at 28.639,17.446 h1.02; Top Overlay "3" at 34.149,12.846 h1.02; Mechanical 13 "2" at 31.609,12.846 h1.02; Mechanical 13 "ON" at 28.639,17.446 h1.02; Mechanical 13 "1" at 29.209,12.846 h1.02; Mechanical 13 "3" at 34.149,12.846 h1.02
U1: Top Overlay "*" at 95.377,62.608 h1.02 r180
U3: Top Overlay "*" at 69.012,30.099 h1.27 r180; Mechanical 13 "*" at 67.988,31.555 h1.02 r180
U4: Bottom Overlay "*" at 71.272,21.565 h1.27 r90
U5: Bottom Overlay "*" at 13.64,49.911 h1.02 r180
U6: Bottom Overlay "*" at 58.369,10.566 h1.27 r270